# Altium PCB SEEED ORDER ALARM INTERFACE 100mm x 150mm.PcbDoc (part 2 of 2)
Units mil, origin at the board's own origin, x right, y up, seen from the top; angles counter-clockwise.
Board outline 5905.51 x 3937.01 mil, 2 copper layers (Top Layer, Bottom Layer); 128 components, 122 nets, 586 pads, 128 vias.
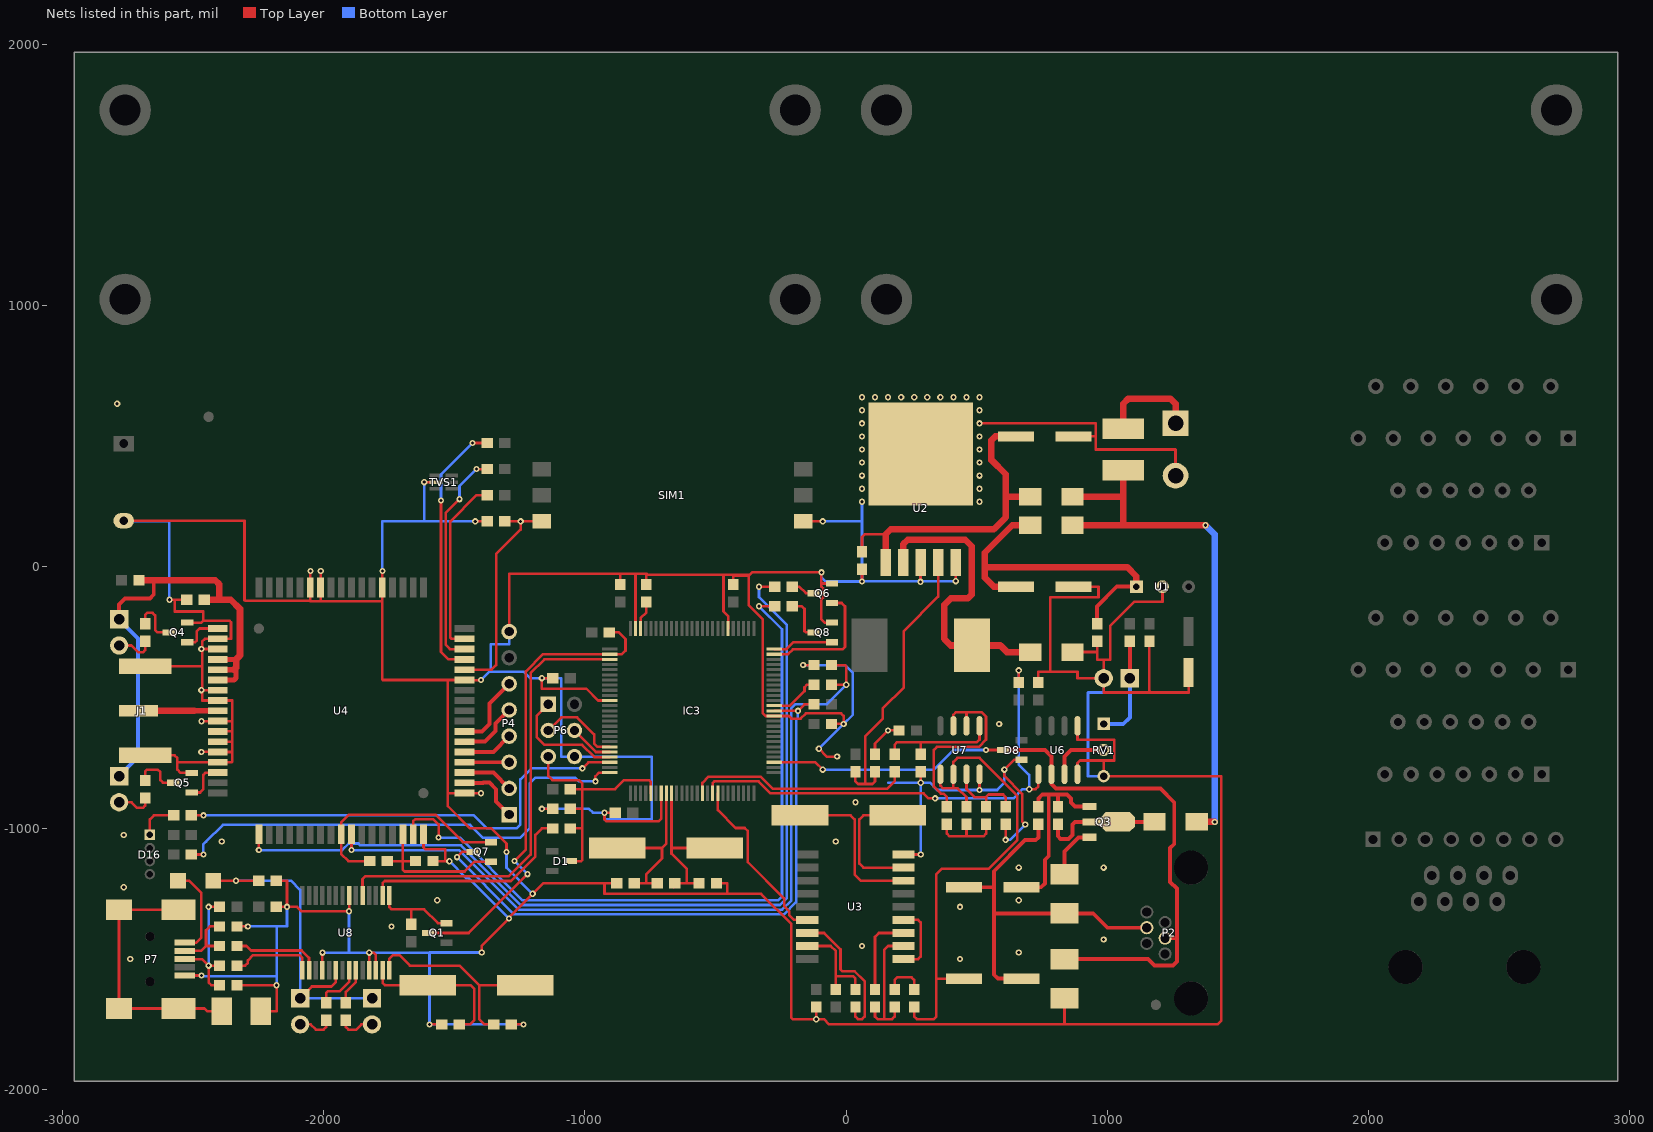
[diagram p2: the nets of this part, all layers, seen from the top]

## Via types
v1: diameter 24, hole 12, Top Layer to Bottom Layer, 128 vias

## Nets (pads, with @x,y where several pads share a name; then routed paths per layer and width w, separated by ;. In a path a pad name is that pad's centre, name@x,y a point inside that pad or via, vN(x,y) a via of type N, cw(c..) or ccw(c..) an arc to the next point about the centre after c; other vN are vias at no path point) (continued)
GND: C1.2 C2.2 C3.2 C5.2 C6.2 C8.2 C10.2 C11.2 C17.2 C21.2 C23.2 C24.2 C25.2 C26.2 C27.1 C29.2 C30.2 C31.2 C32.2 C33.2 C34.2 C35.2 C36.2 C37.2 C38.2 C39.2 C40.2 D4.1 D8.1 D15.2 D19.1 D20.1 IC3.11 IC3.32 IC3.62 IC3.81 IC3.99 J1.2 L3.2 P1.2 P4.8 P6.6 P7.5 Q4.2 Q5.2 Q6.2 Q8.2 R17.1 R25.1 R38.2 R41.1 RV1.3 SIM1.C5 TVS1.2 U1.2 U2.3 U2.5 U2.6 U3.9 U4.17 U4.18 U4.29 U4.39 U4.45 U4.46 U4.53 U4.54 U4.58 U4.59 U4.61 U4.62 U4.63 U4.64 U4.65 U6.4 U6.5 U7.4 U8.7 U8.18 U8.25 U8.26 | length 29968.3
  Top Layer w10: C11.2@-2763.98,176.18 -2301.61,176.18 -2301.61,-127.48 -2298.88,-130.21 -2049.94,-130.21 ; J1.2@-2681.83,-721.18 -2568.98,-721.18 -2558.98,-731.18 -2558.98,-776.18 -2546.38,-788.78 Q5.2@-2503.54,-788.78 ; J1.2@-2681.83,-381.18 -2468.98,-381.18 ; v1(-2588.98,-126.18) -2568.98,-126.18 ; -2557.13,-748.03 U4.65@-2404.27,-748.03 -2350.83,-748.03 -2348.98,-746.18 -2348.98,-626.18 ; P7.5@-2530.12,-1564.17 v1(-2465.98,-1564.17) ; C17.2@-2522.44,-126.18 -2568.98,-126.18 ; Q4.2@-2521.4,-213.78 -2466.57,-213.78 -2458.98,-206.18 ; v1(-2466.83,-708.3) U4.64@-2404.64,-708.29 ; v1(-2466.83,-472.08) v1@-2463.98,-472.08 ; v1(-2466.83,-314.6) v1@-2463.98,-314.6 ; v1(-2466.2,-590.82) -2404.27,-590.81 U4.61@-2404.01,-590.81 ; U4.58@-2404.64,-472.07 v1@-2463.08,-472.08 ; U4.54@-2404.64,-314.59 v1@-2463.98,-314.6 ; U4.64@-2404.27,-708.66 -2351.46,-708.66 ; U4.63@-2404.27,-669.29 -2350.87,-669.29 ; U4.62@-2404.27,-629.92 -2352.72,-629.92 -2348.98,-626.18 ; U4.61@-2404.27,-590.55 U4.61@-2404.01,-590.81 ; U4.58@-2404.27,-472.44 -2462.72,-472.44 v1@-2463.08,-472.08 ; U4.54@-2404.27,-314.96 -2462.76,-314.96 v1@-2463.98,-316.18 ; D20.1@-2330.51,-1601.18 v1(-2178.98,-1601.18) -2178.98,-1701.18 L3.2@-2238.97,-1701.17 ; D19.1@-2330.51,-1376.18 v1(-2288.98,-1376.18) ; C36.2@-2180.51,-1301.18 v1(-2138.98,-1301.18) ; C35.2@-2180.51,-1201.18 -2138.98,-1201.18 v1(-2138.98,-1301.18) ; U4.46@-2049.94,-78.74 -2049.94,-130.21 ; U4.46@-2049.58,-78.37 v1(-2049.58,-16.18) ; U4.45@-2010.57,-78.74 -2010.57,-129.58 -2008.98,-131.18 ; U4.45@-2010.21,-78.37 v1(-2010.21,-16.18) ; U8.18@-2003.54,-1543.9 v1(-2003.54,-1476.62) ; U8.7@-1901.18,-1258.46 -1901.18,-1317.8 v1(-1901.77,-1318.39) -2083.27,-1318.39 -2100.48,-1301.18 v1(-2138.98,-1301.18) ; U8.25@-1824.41,-1543.9 v1(-1824.41,-1476.62) -1808.54,-1476.62 -1798.82,-1486.34 U8.26@-1798.82,-1543.9 ; U4.39@-1774.34,-78.74 -1774.34,-130.81 ; U4.39@-1773.98,-78.37 v1(-1773.98,-16.18) ; U4.17@-1616.86,-1023.63 -1616.86,-1073.29 -1608.98,-1081.18 -1533.98,-1081.18 -1533.98,-1126.18 C25.2@-1580.51,-1126.18 ; v1(-1613.98,323.82) TVS1.2@-1569.49,323.82 ; v1(-1593.98,-1751.18) C40.2@-1547.44,-1751.18 ; C25.2@-1580.15,-1126.55 v1(-1517.95,-1126.55) ; U4.18@-1459.38,-866.14 -1523.94,-866.14 -1523.98,-866.18 ; U4.29@-1459.38,-433.07 -1518.98,-433.07 ; U4.18@-1459.02,-866.51 v1(-1396.82,-866.51) ; U4.29@-1459.02,-433.44 v1(-1396.82,-433.44) ; v1(-1418.98,173.82) C6.2@-1372.44,173.82 ; v1(-1393.98,-1476.18) -1393.98,-1450.83 v1(-1289.33,-1346.18) -1289.33,-1341.54 v1(-1198.98,-1251.18) -1158.98,-1211.18 -923.98,-1211.18 ; v1(-1298.98,-1091.18) -1298.98,-1059.53 -1357.32,-1001.18 -1438.98,-1001.18 -1523.98,-916.18 -1523.98,-866.18 ; P4.8@-1288.98,-248.03 -1288.98,-26.18 -863.98,-26.18 ; C39.2@-1280.51,-1751.18 v1(-1233.98,-1751.18) ; v1(-1163.98,-926.18) C27.1@-1122.44,-926.18 ; C32.2@-1122.44,-426.18 v1(-1163.98,-426.18) -1163.98,-466.18 -993.98,-466.18 -948.35,-511.81 IC3.11@-903.94,-511.81 ; C31.2@-882.44,-941.18 v1(-923.98,-941.18) -923.98,-966.18 -916.29,-973.87 -716.66,-973.87 -707.09,-964.29 IC3.32@-707.09,-866.14 ; C38.2@-877.44,-1211.18 -923.98,-1211.18 ; C30.2@-863.98,-56.18 -863.98,-26.18 ; IC3.99@-805.51,-236.22 -805.51,-26.18 ; C29.2@-763.98,-67.72 -763.98,-26.18 ; C37.2@-495.51,-1211.18 -453.98,-1211.18 -453.98,-1251.18 ; IC3.81@-451.18,-236.22 -451.18,-188.98 -468.98,-171.18 -468.98,-31.18 ; C34.2@-431.5,-67.72 -431.5,-33.66 -371.46,-33.66 ; v1(-163.98,-376.18) R38.2@-122.44,-376.18 ; SIM1.C5@-163.98,173.82 v1(-88.98,173.82) ; C8.2@-113.98,-1684.65 v1(-113.98,-1731.18) ; v1(-103.98,-696.18) -73.98,-726.18 v1(-33.98,-726.18) ; C33.2@-55.51,-601.18 v1(-8.98,-601.18) -8.98,-571.18 -18.98,-561.18 -153.98,-561.18 -173.98,-581.18 -208.52,-581.18 -218.84,-570.86 IC3.62@-274.01,-570.86 -308.14,-570.86 -318.98,-560.03 -318.98,-200.37 -371.46,-147.89 -371.46,-33.66 ; Q8.2@-53.54,-213.78 -81.38,-213.78 -93.98,-201.18 -93.98,-124.56 -87.79,-118.38 -87.79,-82.37 -93.98,-76.18 -93.98,-66.18 ; Q6.2@-53.54,-63.78 -91.57,-63.78 -93.98,-66.18 ; v1(61.02,-56.18) C10.2@61.02,-9.65 ; R25.1@111.02,-717.72 111.02,-676.18 v1(161.02,-626.18) C24.2@202.56,-626.18 ; U3.9@220.08,-1101.18 v1(286.02,-1101.18) ; v1(284.88,-57.72) U2.3@284.88,13.46 ; v1(286.02,-826.18) R41.1@286.02,-784.65 ; v1(419.88,-55.04) U2.5@419.88,16.14 ; v1(511.02,-854.07) U7.4@511.02,-793.7 ; v1(511.02,548.82) 956.02,548.82 956.02,498.82 ; v1(611.02,-1045.02) C23.2@611.02,-984.65 ; D8.1@671.46,-738.58 643.62,-738.58 v1(606.02,-776.18) 606.02,-800.73 674.02,-868.73 674.02,-974.18 v1(686.02,-986.18) ; C21.2@736.02,-442.72 736.02,-401.18 781.02,-401.18 ; R17.1@836.02,-1651.18 836.02,-1751.18 835.95,-1751.25 ; D4.1@867.02,-326.18 961.02,-326.18 ; C2.2@871.26,-76.18 966.02,-76.18 966.02,-116.18 781.02,-116.18 781.02,-401.18 ; C3.2@871.26,498.82 956.02,498.82 ; U6.4@886.02,-793.7 886.02,-751.18 896.02,-741.18 986.02,-741.18 ; U6.5@886.02,-608.66 886.02,-661.18 1026.02,-661.18 1026.02,-741.18 986.02,-741.18 ; C1.2@961.02,-284.65 961.02,-326.18 ; C5.2@1161.02,-284.65 1161.02,-476.18 1166.02,-481.18 ; U1.2@1211.02,-76.18 1211.02,-133.18 1103.57,-133.18 1011.02,-225.73 1011.02,-356.18 986.02,-356.18 ; P1.2@1261.02,348.82 1261.02,448.82 956.02,448.82 956.02,498.82 ; C26.2@1311.02,-404.92 1311.02,-481.18 1166.02,-481.18 ; -2568.98,-126.18 -2568.98,-171.18 -2458.98,-171.18 -2458.98,-206.18 ; v1@-2463.98,-472.08 v1@-2463.98,-471.18 ; v1@-2463.98,-472.08 -2463.98,-511.18 -2463.35,-511.81 U4.59@-2404.27,-511.81 -2349.61,-511.81 -2348.98,-511.18 -2348.98,-591.18 ; v1@-2463.98,-472.08 v1@-2463.08,-472.08 ; v1@-2463.98,-471.18 v1@-2463.98,-316.18 ; v1@-2463.98,-471.18 v1@-2463.08,-472.08 ; v1@-2463.98,-316.18 v1@-2463.98,-314.6 ; v1@-2463.98,-314.6 -2463.98,-286.18 -2453.39,-275.59 U4.53@-2404.27,-275.59 -2353.39,-275.59 -2353.27,-275.48 -2353.27,-212.38 -2359.48,-206.18 -2458.98,-206.18 ; U4.61@-2404.01,-590.81 -2403.64,-591.18 -2348.98,-591.18 ; -2348.98,-626.18 -2348.98,-591.18 ; -2049.94,-130.21 -2048.98,-131.18 -2008.98,-131.18 ; -2008.98,-131.18 -1774.34,-131.18 ; -1774.34,-131.18 -1774.34,-430.81 -1772.09,-433.07 -1518.98,-433.07 ; -1774.34,-131.18 -1774.34,-130.81 ; -1774.34,-131.18 -1773.98,-131.18 -1774.34,-130.81 ; -1523.98,-866.18 -1523.98,-438.07 -1518.98,-433.07 ; -923.98,-1211.18 -923.98,-1251.18 -453.98,-1251.18 ; -863.98,-26.18 -805.51,-26.18 ; -805.51,-26.18 -763.98,-26.18 ; -763.98,-26.18 -758.98,-31.18 -468.98,-31.18 ; -468.98,-31.18 -368.98,-31.18 ; -453.98,-1251.18 -324.34,-1251.18 -208.98,-1366.55 -208.98,-1726.18 -203.98,-1731.18 v1(-113.98,-1731.18) ; -371.46,-33.66 -368.98,-31.18 ; -368.98,-31.18 -358.98,-21.18 v1(-93.98,-21.18) -93.98,-66.18 ; v1(-113.98,-1731.18) -84.43,-1731.18 -64.36,-1751.25 835.95,-1751.25 ; 781.02,-401.18 886.02,-401.18 886.02,-426.18 886.31,-426.47 D15.2@986.08,-426.47 ; 835.95,-1751.25 1421.02,-1751.25 1436.02,-1736.25 1436.02,-987.74 1436.52,-987.24 1436.52,-965.62 1436.02,-965.12 1436.02,-801.18 RV1.3@986.02,-801.18 986.02,-741.18 ; 961.02,-326.18 961.02,-356.18 986.02,-356.18 ; 986.02,-356.18 986.02,-426.41 D15.2@986.08,-426.47 ; D15.2@986.08,-426.47 986.02,-426.53 986.02,-481.18 1166.02,-481.18
  Bottom Layer w10: C11.2@-2758.98,173.82 -2588.98,173.82 v1(-2588.98,-126.18) ; v1(-2465.98,-1564.17) -2463.98,-1566.18 -2178.98,-1566.18 ; v1(-2288.98,-1376.18) -2178.98,-1376.18 ; v1(-2178.98,-1601.18) -2178.98,-1566.18 ; v1(-2138.98,-1301.18) -2138.98,-1376.18 -2178.98,-1376.18 ; v1(-2003.54,-1476.62) v1(-1824.41,-1476.62) -1594.41,-1476.62 ; -1901.77,-1473.82 v1(-1901.77,-1318.39) ; v1(-1773.98,-16.18) -1773.98,173.82 -1613.98,173.82 ; v1(-1613.98,323.82) -1613.98,173.82 ; v1(-1517.95,-1126.55) -1453.32,-1191.18 -1444.33,-1191.18 v1(-1289.33,-1346.18) ; v1(-1418.98,173.82) -1613.98,173.82 ; v1(-1396.82,-433.44) -1364.57,-401.18 ; v1(-1393.98,-1476.18) -1593.98,-1476.18 -1594.41,-1476.62 ; v1(-1298.98,-1091.18) -1298.98,-1151.18 v1(-1198.98,-1251.18) ; P4.8@-1288.98,-248.03 -1288.98,-296.18 -1358.98,-296.18 -1358.98,-395.59 -1364.57,-401.18 ; v1(-1233.98,-1751.18) v1(-1593.98,-1751.18) -1593.98,-1477.05 -1594.41,-1476.62 ; v1(-1163.98,-926.18) -983.98,-926.18 -968.98,-941.18 v1(-923.98,-941.18) -923.98,-966.18 -743.98,-966.18 -743.98,-726.18 P6.6@-1038.98,-726.18 -1088.98,-726.18 -1088.98,-426.18 v1(-1163.98,-426.18) -1208.98,-426.18 -1233.98,-401.18 -1364.57,-401.18 ; v1(-163.98,-376.18) -3.98,-376.18 26.02,-406.18 26.02,-566.18 v1(-8.98,-601.18) v1(-103.98,-696.18) ; v1(-93.98,-21.18) -93.98,-41.18 -78.98,-56.18 v1(61.02,-56.18) 61.02,173.82 ; v1(-88.98,173.82) 61.02,173.82 ; v1(61.02,248.82) 61.02,173.82 ; v1@62.17,-55.04 v1(419.88,-55.04) ; 161.02,-826.18 v1(286.02,-826.18) ; v1(284.88,-57.72) v1@286.02,-58.86 ; v1(286.02,-1101.18) v1(286.02,-826.18) ; v1(606.02,-776.18) 606.02,-826.18 578.13,-854.07 v1(511.02,-854.07) 348.92,-854.07 321.02,-826.18 v1(286.02,-826.18) ; v1(611.02,-1045.02) 627.19,-1045.02 v1(686.02,-986.18) ; RV1.3@986.02,-801.18 926.02,-801.18 926.02,-481.18 986.02,-481.18 986.08,-481.12 D15.2@986.08,-426.47 ; -2178.98,-1566.18 -2178.98,-1376.18
  other v1: -2738.98,-1501.18 436.02,-1501.18 661.02,-1476.18 61.02,-1451.18 986.02,-1426.18 -1738.98,-1376.18 436.02,-1301.18 -1563.98,-1276.18 661.02,-1276.18 -2763.98,-1226.18 661.02,-1151.18 986.02,-1151.18 -2388.98,-1051.18 -38.98,-1051.18 -2763.98,-1026.18 36.02,-901.18 586.02,-601.18 511.02,248.82 61.02,298.82 511.02,298.82 61.02,348.82 511.02,348.82 61.02,398.82 511.02,398.82 61.02,448.82 511.02,448.82 61.02,498.82 511.02,498.82 61.02,548.82 61.02,598.82 511.02,598.82 -2788.98,623.82 61.02,648.82 111.02,648.82 161.02,648.82 211.02,648.82 261.02,648.82 311.02,648.82 361.02,648.82 411.02,648.82 461.02,648.82 511.02,648.82
GREEN: IC3.25 R12.1 | length 1920.6
  Top Layer w10: R12.1@-2505.51,-1101.18 v1(-2458.98,-1101.18) ; v1(-958.98,-821.18) -958.98,-801.54 -944.84,-787.4 IC3.25@-903.94,-787.4
  Bottom Layer w10: v1(-2458.98,-1101.18) -2458.98,-1061.18 -2448.98,-1051.18 -2448.62,-1051.18 -2384.62,-987.18 -1438.89,-987.18 -1388.89,-1037.18 -1246.56,-1037.18 -1210.45,-1001.07 -1210.45,-828.57 -1189.06,-807.18 -1036.43,-807.18 -1022.43,-821.18 v1(-958.98,-821.18)
ICSP_VPP: 
LED_0: 
LED_1: 
LED_2: 
LED_3: 
LED_4: 
LED_5: 
LINE: C4.2 C7.2 C22.2 U7.1 U7.2 | length 1917.3
  Top Layer w10: C7.2@261.02,-1684.65 261.02,-1721.18 271.02,-1731.18 336.02,-1731.18 346.02,-1721.18 346.02,-1576.18 ; U7.1@361.02,-801.18 361.02,-837.72 371.02,-847.72 411.02,-847.72 ; C4.2@450.79,-1576.18 346.02,-1576.18 ; C22.2@461.02,-917.72 461.02,-881.18 427.56,-847.72 411.02,-847.72 ; 346.02,-1576.18 346.02,-1176.18 366.02,-1156.18 546.02,-1156.18 656.02,-1046.18 656.02,-876.18 511.02,-731.18 426.02,-731.18 411.02,-746.18 U7.2@411.02,-793.7 411.02,-847.72
LINE_L: P4.6 U4.24 | length 291.5
  Top Layer w15: U4.24@-1459.38,-629.92 -1392.72,-629.92 -1363.98,-601.18 -1363.98,-523.03 P4.6@-1288.98,-448.03
LINE_R: P4.5 U4.23 | length 237.1
  Top Layer w15: U4.23@-1459.38,-669.29 -1382.09,-669.29 -1340.55,-627.76 -1340.55,-599.61 P4.5@-1288.98,-548.03
MIC_N: P4.2 U4.20 | length 195.5
  Top Layer w15: U4.20@-1459.38,-787.4 -1349.61,-787.4 P4.2@-1288.98,-848.03
MIC_P: P4.1 U4.19 | length 248.6
  Top Layer w15: U4.19@-1459.38,-826.77 -1388.39,-826.77 -1387.8,-826.18 -1363.98,-826.18 -1338.98,-851.18 -1338.98,-898.03 P4.1@-1288.98,-948.03
MISO: IC3.22 P6.1 | length 455.6
  Top Layer w10: P6.1@-1138.98,-526.18 -1183.98,-571.18 -1183.98,-651.18 -1153.98,-681.18 -1009.89,-681.18 -962.73,-728.34 IC3.22@-903.94,-728.34
MOSI: IC3.21 P6.4 | length 169.5
  Top Layer w10: P6.4@-1038.98,-626.18 -1038.98,-626.64 -956.95,-708.66 IC3.21@-903.94,-708.66
NetC2_1: 
NetC7_1: C7.1 R7.1 | length 156.4
  Top Layer w10: R7.1@186.02,-1617.72 186.02,-1581.18 196.02,-1571.18 251.02,-1571.18 261.02,-1581.18 C7.1@261.02,-1617.72
NetC9_2: C9.2 R9.2 U3.17 | length 384.6
  Top Layer w10: U3.17@-148.03,-1451.18 -58.98,-1451.18 -38.98,-1471.18 -38.98,-1566.18 ; C9.2@-38.98,-1617.72 -38.98,-1566.18 ; R9.2@36.02,-1617.72 36.02,-1576.18 26.02,-1566.18 -38.98,-1566.18
NetC16_1: C16.1 Q3.3 R15.1 R19.2 | length 749.7
  Top Layer w15: C16.1@671.26,-1226.18 746.02,-1226.18 761.02,-1211.18 761.02,-1121.18 775.84,-1106.37 775.84,-871.37 776.02,-871.18 ; R19.2@736.02,-917.72 736.02,-886.18 751.02,-871.18 776.02,-871.18 ; R15.1@811.02,-917.72 811.02,-871.18 ; Q3.3@931.4,-917.13 876.97,-917.13 861.02,-901.18 861.02,-886.18 846.02,-871.18 811.02,-871.18 ; 776.02,-871.18 811.02,-871.18
NetC22_1: C22.1 R30.1 R31.2 | length 277.9
  Top Layer w10: R31.2@386.02,-984.65 386.02,-1021.18 396.02,-1031.18 461.02,-1031.18 ; C22.1@461.02,-984.65 461.02,-1031.18 ; R30.1@536.02,-984.65 536.02,-1021.18 526.02,-1031.18 461.02,-1031.18
NetC23_1: C23.1 R30.2 U7.3 | length 301.3
  Top Layer w10: U7.3@461.02,-793.7 461.02,-851.18 491.02,-881.18 536.02,-881.18 ; R30.2@536.02,-917.72 536.02,-881.18 ; C23.1@611.02,-917.72 611.02,-881.18 601.02,-871.18 546.02,-871.18 536.02,-881.18
NetC28_1: C28.1 U8.2 | length 833.8
  Top Layer w10: U8.2@-1773.23,-1258.46 -1773.23,-1210.43 -1764.98,-1202.18 -1282.52,-1202.18 -1188.98,-1108.64 -1188.98,-1026.18 -1163.98,-1001.18 C28.1@-1122.44,-1001.18
NetC29_1: C29.1 IC3.98 | length 110.6
  Top Layer w10: IC3.98@-785.83,-236.22 -785.83,-196.18 -763.98,-174.33 C29.1@-763.98,-134.65
NetC39_1: C39.1 U8.28 Y4.2 | length 812.8
  Top Layer w10: U8.28@-1747.64,-1543.9 -1747.64,-1499.84 -1733.98,-1486.18 -1708.98,-1486.18 -1668.98,-1526.18 -1478.98,-1526.18 -1403.98,-1601.18 ; C39.1@-1347.44,-1751.18 -1383.98,-1751.18 -1403.98,-1731.18 -1403.98,-1601.18 ; Y4.2@-1226.97,-1601.18 -1403.98,-1601.18
NetC40_1: C40.1 U8.27 Y4.1 | length 592.9
  Top Layer w10: U8.27@-1773.23,-1543.9 -1773.23,-1591.93 -1763.98,-1601.18 Y4.1@-1600.98,-1601.18 -1436.98,-1601.18 -1421.98,-1616.18 -1421.98,-1734.18 -1438.98,-1751.18 C40.1@-1480.51,-1751.18
NetD1_1: 
NetD1_2: 
NetD3_1: 
NetD4_1: 
NetD4_2: D4.2 L1.1 U2.2 | length 1136.3
  Top Layer w25: U2.2@219.09,16.14 219.09,86.89 236.02,103.82 456.02,103.82 481.02,78.82 481.02,-106.18 466.02,-121.18 401.02,-121.18 376.02,-146.18 376.02,-276.18 401.02,-301.18 L1.1@482.87,-301.18 591.02,-301.18 616.02,-326.18 D4.2@705.02,-326.18
NetD7_2: D7.2 R27.2 | length 141.6
  Top Layer w10: D7.2@-2781.55,-901.12 -2734.04,-901.12 -2712.55,-922.61 -2690.4,-922.61 -2681.83,-914.04 R27.2@-2681.83,-884.65
NetD8_1: 
NetD8_2: 
NetD10_1: 
NetD10_2: D10.2 R18.2 | length 148.6
  Top Layer w10: D10.2@-2781.55,-301.12 -2734.04,-301.12 -2707.55,-327.61 -2690.4,-327.61 -2681.83,-319.04 R18.2@-2681.83,-284.65
NetD11_1: 
NetD15_1: D15.1 R21.1 RV1.1 | length 401.9
  Top Layer w15: D15.1@1086.02,-426.41 R21.1@1086.02,-284.65 ; D15.1@1086.08,-426.47 D15.1@1086.08,-426.41
  Bottom Layer w15: RV1.1@986.02,-601.18 1061.02,-601.18 1086.08,-576.12 D15.1@1086.08,-426.47
NetD17_2: D17.2 R48.2 | length 138.7
  Top Layer w10: D17.2@-2088.69,-1751.12 -2049.04,-1751.12 -2028.98,-1771.18 -1998.98,-1771.18 -1988.98,-1761.18 R48.2@-1988.98,-1734.65
NetD18_2: D18.2 R51.2 | length 138.7
  Top Layer w10: R51.2@-1913.98,-1734.65 -1913.98,-1761.18 -1903.98,-1771.18 -1873.98,-1771.18 -1853.92,-1751.12 D18.2@-1814.26,-1751.12
NetF5_1: F5.1 P7.1 | length 348
  Top Layer w10: F5.1@-2556.48,-1201.18 -2513.98,-1201.18 -2466.98,-1248.18 -2466.98,-1419.18 -2485.98,-1438.19 ; P7.1@-2530.12,-1438.19 -2488.98,-1438.19
NetL3_1: L3.1 P7.0 | length 1004
  Top Layer w10: P7.0@-2553.74,-1312.2 P7.0@-2782.09,-1312.2 P7.0@-2782.09,-1690.16 P7.0@-2553.74,-1690.16 -2455,-1690.16 -2443.98,-1701.18 L3.1@-2388.98,-1701.18
NetQ1_2: Q1.2 R44.1 U8.1 | length 345.1
  Top Layer w10: U8.1@-1747.64,-1258.46 -1747.64,-1302.52 -1738.98,-1311.18 -1663.98,-1311.18 ; R44.1@-1663.98,-1367.72 -1663.98,-1311.18 ; Q1.2@-1528.54,-1363.78 -1561.38,-1363.78 -1613.98,-1311.18 -1663.98,-1311.18
NetQ3_1: Q3.1 R13.2 | length 205
  Top Layer w15: R13.2@836.02,-1176.17 836.02,-1088.71 889.5,-1035.24 Q3.1@931.4,-1035.24
NetQ4_3: Q4.3 R18.1 | length 189.8
  Top Layer w10: R18.1@-2681.83,-217.72 -2681.83,-184.04 -2673.98,-176.18 -2653.98,-176.18 -2643.98,-186.18 -2643.98,-241.18 -2633.98,-251.18 Q4.3@-2592.27,-251.18
NetQ5_3: Q5.3 R27.1 | length 182.6
  Top Layer w10: R27.1@-2681.83,-817.72 -2681.83,-784.04 -2673.98,-776.18 -2633.98,-776.18 -2623.98,-786.18 -2623.98,-816.18 -2613.98,-826.18 Q5.3@-2574.41,-826.18
NetQ6_3: Q6.3 R34.1 | length 91.5
  Top Layer w10: R34.1@-205.51,-76.18 -178.98,-76.18 -153.98,-101.18 Q6.3@-124.41,-101.18
NetQ7_2: Q7.2 R36.1 U4.9 | length 870
  Top Layer w10: R36.1@-1822.44,-1126.18 -1903.98,-1126.18 -1931.82,-1098.33 U4.9@-1931.82,-1023.63 -1931.82,-979.03 -1900.98,-948.18 -1571.52,-948.18 -1465.92,-1053.78 Q7.2@-1358.54,-1053.78
NetQ8_3: Q8.3 R39.1 | length 172.3
  Top Layer w10: R39.1@-205.51,-151.18 -168.98,-151.18 -158.98,-161.18 -158.98,-246.18 -153.98,-251.18 Q8.3@-124.41,-251.18
NetR6_1: R6.1 R7.2 U3.2 | length 501.6
  Top Layer w10: R6.1@111.02,-1684.65 111.02,-1721.18 121.02,-1731.18 146.02,-1731.18 ; R7.2@186.02,-1684.65 186.02,-1721.18 176.02,-1731.18 146.02,-1731.18 ; U3.2@220.08,-1451.18 161.02,-1451.18 146.02,-1466.18 146.02,-1731.18
NetR6_2: R6.2 U3.3 | length 316.8
  Top Layer w10: R6.2@111.02,-1617.72 111.02,-1416.18 126.02,-1401.18 U3.3@220.08,-1401.18
NetR7_1: 
NetR8_1: 
NetR9_1: R9.1 U3.16 | length 556.1
  Top Layer w10: U3.16@-148.03,-1401.18 -83.52,-1401.18 -20.98,-1463.73 -20.98,-1541.18 -13.98,-1548.18 33.48,-1548.18 71.02,-1585.73 71.02,-1721.18 61.02,-1731.18 46.02,-1731.18 36.02,-1721.18 R9.1@36.02,-1684.65
NetR24_1: R24.1 R25.2 U2.4 | length 1119.4
  Top Layer w10: R24.1@36.02,-784.65 36.02,-821.18 46.02,-831.18 73.52,-831.18 ; R25.2@111.02,-784.65 111.02,-821.18 101.02,-831.18 73.52,-831.18 ; U2.4@352.95,16.14 352.95,-114.25 221.02,-246.18 221.02,-461.18 141.02,-541.18 141.02,-581.18 73.52,-648.68 73.52,-831.18
NetR31_1: R31.1 U7.6 U7.7 | length 778.8
  Top Layer w10: R31.1@386.02,-917.72 386.02,-881.18 372.63,-867.79 362.71,-867.79 336.21,-841.29 336.21,-700.99 348.02,-689.18 508.48,-689.18 535.83,-661.83 535.83,-572.79 519.22,-556.18 461.02,-556.18 ; U7.7@411.02,-608.66 411.02,-566.18 421.02,-556.18 461.02,-556.18 ; U7.6@461.02,-608.66 461.02,-556.18
NetR34_2: R34.2 U4.1 | length 3495.3
  Top Layer w10: v1(-2246.79,-1084) U4.1@-2246.79,-1023.63 ; v1(-332.81,-76.18) R34.2@-272.44,-76.18
  Bottom Layer w10: v1(-2246.79,-1084) -1927.81,-1084 -1902.81,-1059 -1865.98,-1059 -1858.98,-1066 -1473.35,-1066 -1245.17,-1294.18 -252.43,-1294.18 -226.98,-1268.73 -226.98,-221.66 -332.81,-115.83 v1(-332.81,-76.18)
NetR37_2: R37.2 R38.1 U4.10 | length 3020.9
  Top Layer w10: v1(-1892.45,-1084) U4.10@-1892.45,-1023.63 ; R37.2@-55.51,-451.18 v1(1.02,-451.18) 1.02,-381.18 -3.98,-376.18 R38.1@-55.51,-376.18
  Bottom Layer w10: v1(-1892.45,-1084) -1480.8,-1084 -1252.62,-1312.18 -244.98,-1312.18 -208.98,-1276.18 -208.98,-641.18 -208.98,-540.83 -194.33,-526.18 -73.98,-526.18 v1(1.02,-451.18)
NetR39_2: R39.2 U4.16 | length 2835.2
  Top Layer w10: U4.16@-1656.23,-1023.63 -1656.23,-973.44 -1648.98,-966.18 -1578.98,-966.18 -1558.98,-986.18 v1(-1558.98,-1036.18) ; v1(-332.81,-151.18) R39.2@-272.44,-151.18
  Bottom Layer w10: v1(-1558.98,-1036.18) -1477.71,-1036.18 -1237.71,-1276.18 -259.89,-1276.18 -244.98,-1261.27 -244.98,-239.02 v1(-332.81,-151.18)
NetR40_2: R40.2 R41.2 U7.5 | length 468.9
  Top Layer w10: R40.2@186.02,-717.72 186.02,-681.18 196.02,-671.18 286.02,-671.18 ; R41.2@286.02,-717.72 286.02,-671.18 ; U7.5@511.02,-608.66 511.02,-661.18 501.02,-671.18 286.02,-671.18
NetR49_2: R49.2 U8.16 | length 342.1
  Top Layer w10: R49.2@-2330.51,-1451.18 -2293.98,-1451.18 -2276.98,-1468.18 -2082.85,-1468.18 -2054.72,-1496.32 U8.16@-2054.72,-1543.9
NetR50_2: R50.2 U8.15 | length 324.5